# Altium PCB PCB.PcbDoc (part 2 of 3) (continued)
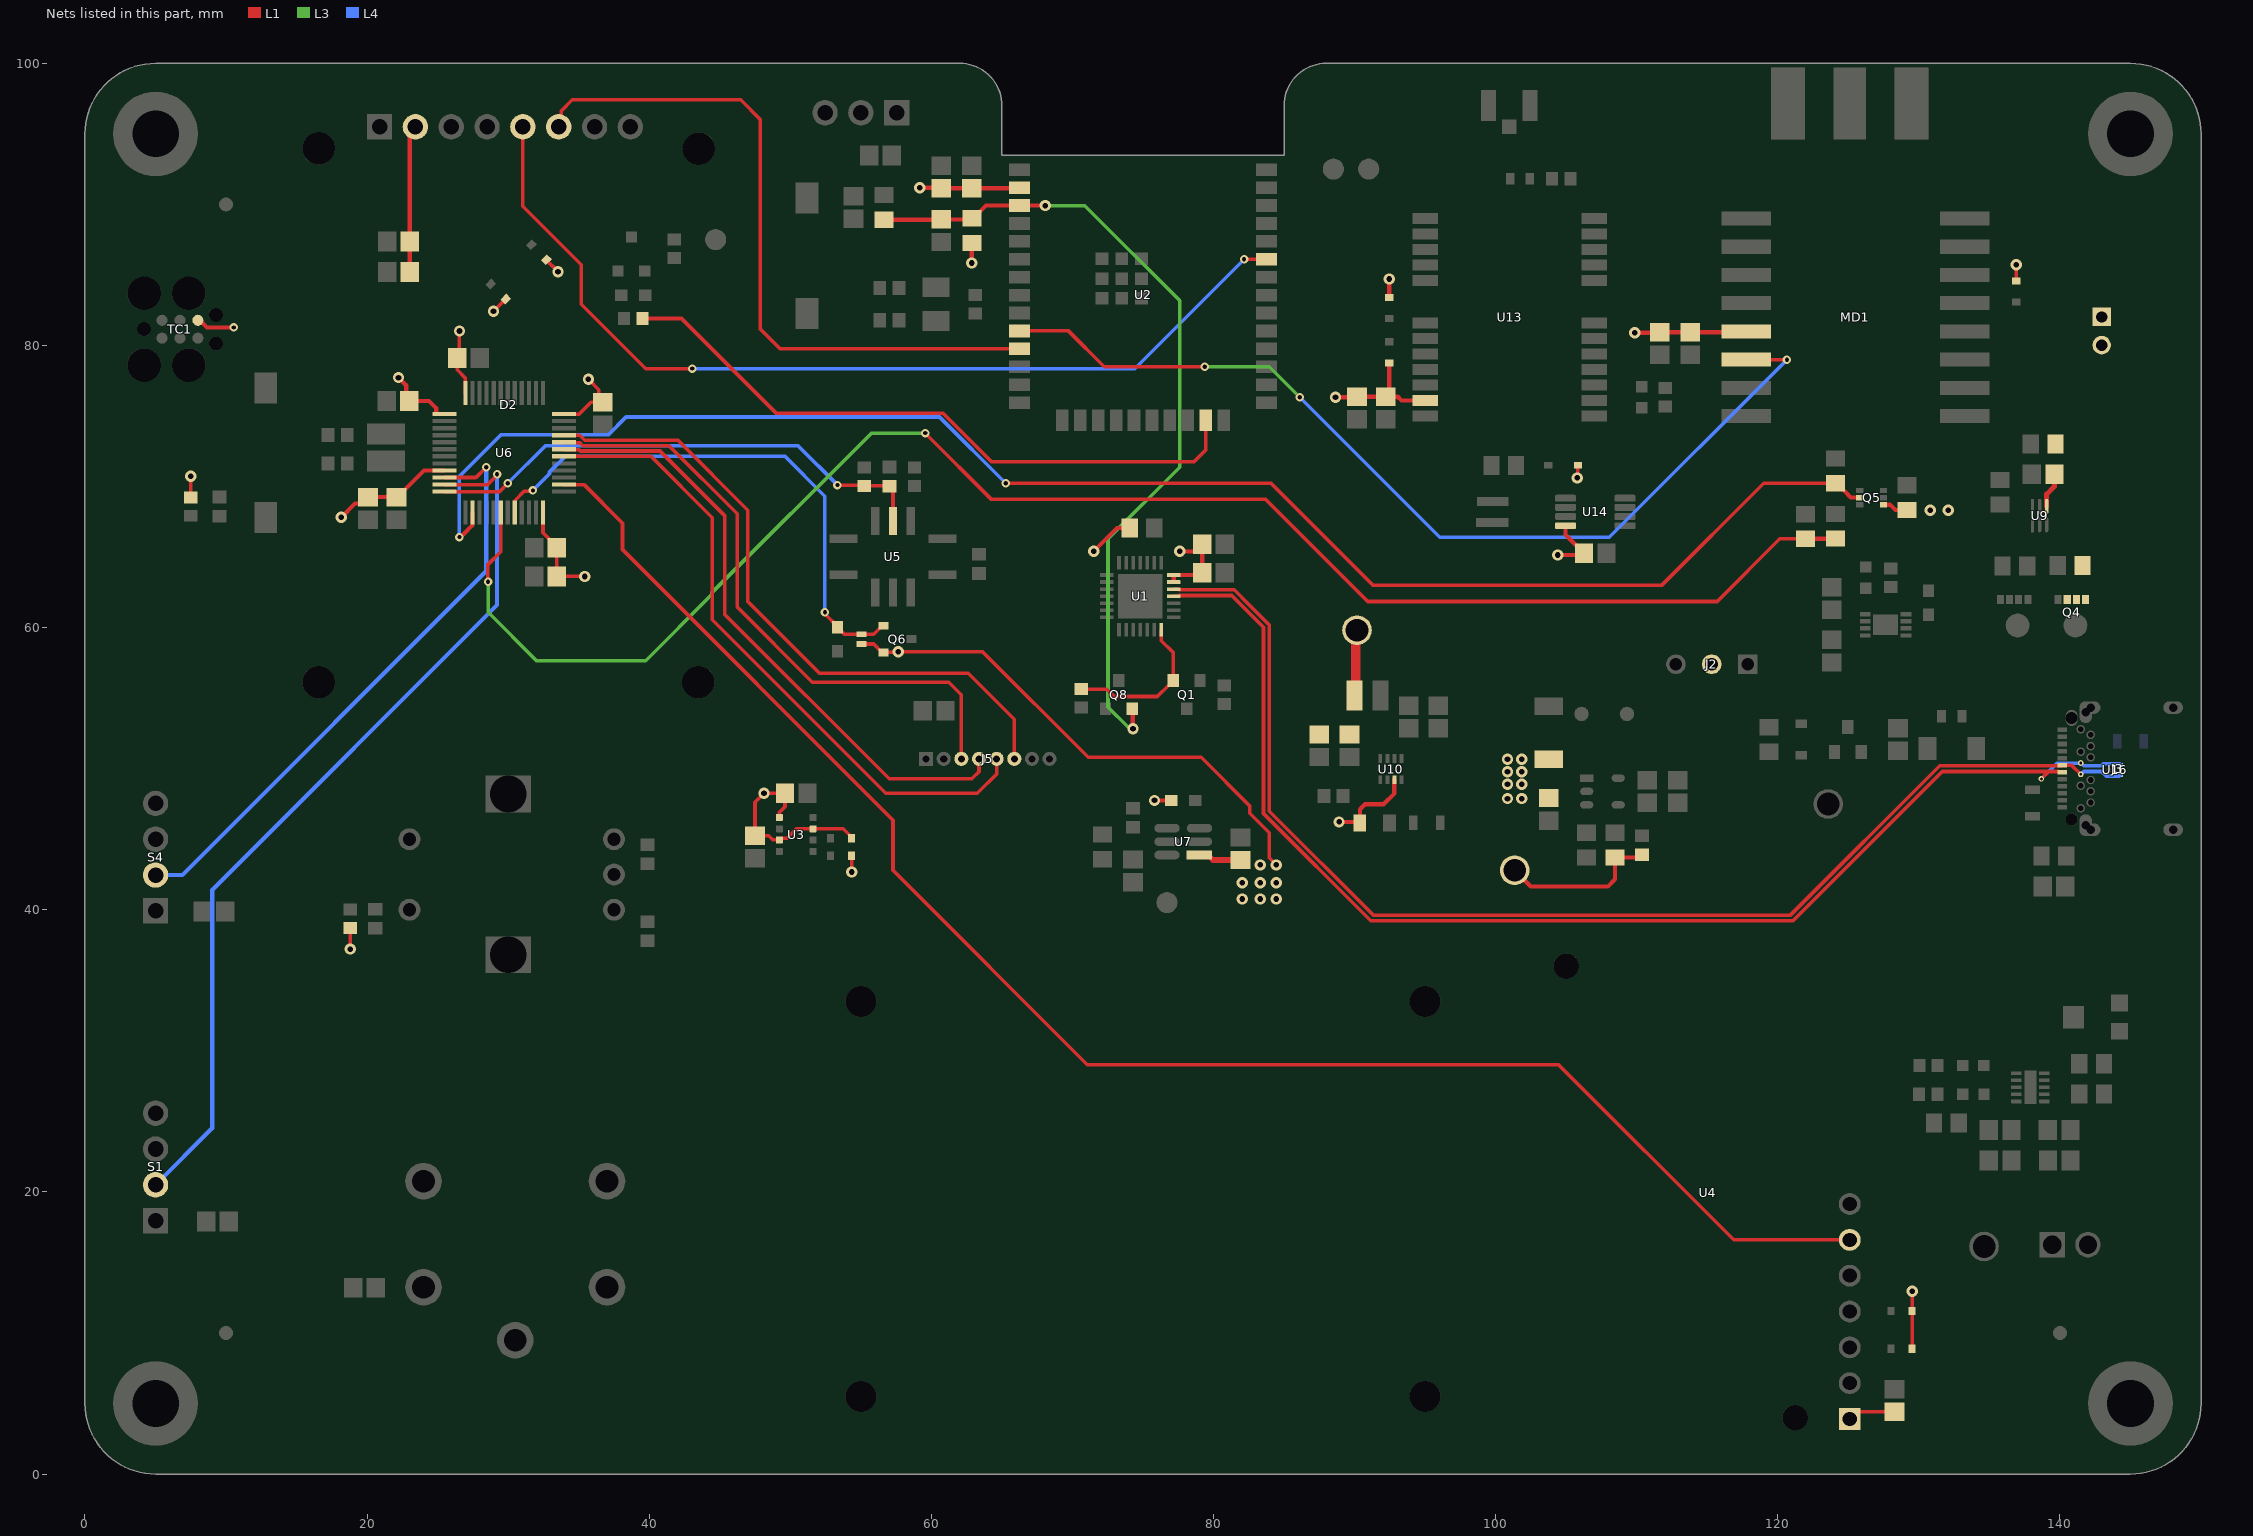
[diagram p4: the nets of this part, all layers, seen from the top]
## Part data (continued)
R16: library part RCS08051M00FKEA, "RES SMD 1M OHM 1% 1/2W 0805", Device Package="0805 (2012 Metric)", Manufacturer="Vishay Dale", Operating Temperature="-55°C ~ 155°C", Power (Watts)="0.5W, 1/2W", Ratings=AEC-Q200, Resistance="1 MOhms", Supplier Device Package=0805, Supplier Part Number 1=541-2853-1-ND, Temperature Coefficient=±100ppm/°C, Tolerance=±1%, ComponentLink1Description=Datasheet, ComponentLink1URL=http://www.vishay.com/docs/20065/rcse3.pdf, ComponentLink2Description="DigiKey Link", ComponentLink2URL=https://www.digikey.com/en/products/detail/vishay-dale/RCS08051M00FKEA/5866999, Composition="Thick Film", Features="Automotive AEC-Q200, Pulse Withstanding", Height - Seated (Max)="0.020\" (0.50mm)", lastupdated="2/8/2024 9:02:38 PM", Lifecycle Status=Active, Minimum Order=1, Number of Terminations=2, Package / Case="0805 (2012 Metric)", packaging=TapeAndReel, Part Number=RCS08051M00FKEA, Part Status=Active, partid=27791, price=0.02, series="RCS e3", Size / Dimension="0.079\" L x 0.049\" W (2.00mm x 1.25mm)", Supplier 1=DigiKey
R17: library part RC0805FR-07200KL, "RES 200K OHM 1% 1/8W 0805", Device Package="0805 (2012 Metric)", Manufacturer=Yageo, Operating Temperature="-55°C ~ 155°C", Power (Watts)="0.125W, 1/8W", Resistance="200 kOhms", Supplier Device Package=0805, Supplier Part Number 1=311-200KCRCT-ND, Temperature Coefficient=±100ppm/°C, Tolerance=±1%, ComponentLink1Description=Datasheet, ComponentLink1URL=https://www.yageo.com/upload/media/product/productsearch/datasheet/rchip/PYu-RC_Group_51_RoHS_L_10.pdf, ComponentLink2Description="DigiKey Link", ComponentLink2URL=https://www.digikey.com/en/products/detail/yageo/RC0805FR-07200KL/727724, Composition="Thick Film", Features="Moisture Resistant", Height - Seated (Max)="0.024\" (0.60mm)", lastupdated="7/25/2024 9:20:25 AM", Lifecycle Status=Active, Minimum Order=1, Number of Terminations=2, Package / Case="0805 (2012 Metric)", packaging=TapeAndReel, Part Number=RC0805FR-07200KL, Part Status=Active, partid=32602, price=0.01, series=RC_L, Size / Dimension="0.079\" L x 0.049\" W (2.00mm x 1.25mm)", Supplier 1=DigiKey
R18: library part RK73H2ATTD4422F, "RES 44.2K OHM 1% 1/4W 0805", Device Package="0805 (2012 Metric)", Manufacturer="KOA Speer Electronics, Inc.", Operating Temperature="-55°C ~ 155°C", Power (Watts)="0.25W, 1/4W", Ratings=AEC-Q200, Resistance="44.2 kOhms", Supplier Device Package=0805, Supplier Part Number 1=2019-RK73H2ATTD4422FCT-ND, Temperature Coefficient=±100ppm/°C, Tolerance=±1%, ComponentLink1Description=Datasheet, ComponentLink1URL=http://www.koaspeer.com/catimages/Products/RK73H/RK73H.pdf, ComponentLink2Description="DigiKey Link", ComponentLink2URL=https://www.digikey.com/en/products/detail/koa-speer-electronics-inc/RK73H2ATTD4422F/10234510, Composition="Thick Film", Features="Automotive AEC-Q200", Height - Seated (Max)="0.024\" (0.60mm)", lastupdated="7/25/2024 9:45:17 AM", Lifecycle Status=Active, Minimum Order=1, Number of Terminations=2, Package / Case="0805 (2012 Metric)", packaging=CutTape, Part Number=RK73H2ATTD4422F, Part Status=Active, partid=48356, price=0.01, series=RK73H, Size / Dimension="0.079\" L x 0.049\" W (2.00mm x 1.25mm)", Supplier 1=DigiKey
R19 R20: library part RMCF0603JT2K00, "RES 2K OHM 5% 1/10W 0603", Device Package="0603 (1608 Metric)", Manufacturer="Stackpole Electronics Inc", Operating Temperature="-55°C ~ 155°C", Power (Watts)="0.1W, 1/10W", Ratings=AEC-Q200, Resistance="2 kOhms", Supplier Device Package=0603, Supplier Part Number 1=RMCF0603JT2K00CT-ND, Temperature Coefficient=±200ppm/°C, Tolerance=±5%, ComponentLink1Description=Datasheet, ComponentLink1URL=https://www.seielect.com/catalog/sei-rmcf_rmcp.pdf, ComponentLink2Description="DigiKey Link", ComponentLink2URL=https://www.digikey.com/en/products/detail/stackpole-electronics-inc/RMCF0603JT2K00/1757951, Composition="Thick Film", Features="Automotive AEC-Q200", Height - Seated (Max)="0.022\" (0.55mm)", lastupdated="2/9/2024 8:43:32 PM", Lifecycle Status=Active, Minimum Order=1, Number of Terminations=2, Package / Case="0603 (1608 Metric)", packaging=CutTape, Part Number=RMCF0603JT2K00, Part Status=Active, partid=5994, price=0.01, series=RMCF, Size / Dimension="0.061\" L x 0.031\" W (1.55mm x 0.80mm)", Supplier 1=DigiKey
R21: library part RCG080521K5FKEA, "RCG0805 100 21K5 1% EA", Device Package="0805 (2012 Metric)", Manufacturer="Vishay Dale", Operating Temperature="-55°C ~ 155°C", Power (Watts)="0.125W, 1/8W", Resistance="21.5 kOhms", Supplier Device Package=0805, Supplier Part Number 1=541-RCG080521K5FKEACT-ND, Temperature Coefficient=±100ppm/°C, Tolerance=±1%, ComponentLink1Description=Datasheet, ComponentLink1URL=https://www.vishay.com/docs/20047/rcge3.pdf, ComponentLink2Description="DigiKey Link", ComponentLink2URL=https://www.digikey.com/en/products/detail/vishay-dale/RCG080521K5FKEA/13212777, Composition="Thick Film", Height - Seated (Max)="0.020\" (0.50mm)", lastupdated="2/8/2024 9:00:36 PM", Lifecycle Status=Active, Minimum Order=1, Number of Terminations=2, Package / Case="0805 (2012 Metric)", packaging=TapeAndReel, Part Number=RCG080521K5FKEA, Part Status=Active, partid=61401, price=0.01, series="RCG e3", Size / Dimension="0.079\" L x 0.049\" W (2.00mm x 1.25mm)", Supplier 1=DigiKey
R23: library part CRCW0805787RFKEA, "RES SMD 0 OHM 1% 1/8W 0805", Device Package="0805 (2012 Metric)", Manufacturer="Vishay Dale", Operating Temperature="-55°C ~ 155°C", Power (Watts)="0.125W, 1/8W", Ratings=AEC-Q200, Resistance="787 Ohms", Supplier Device Package=0805, Supplier Part Number 1=541-787CCT-ND, Temperature Coefficient=±100ppm/°C, Tolerance=±1%, ComponentLink1Description=Datasheet, ComponentLink1URL=http://www.vishay.com/docs/20035/dcrcwe3.pdf, ComponentLink2Description="DigiKey Link", ComponentLink2URL=https://www.digikey.com/en/products/detail/vishay-dale/CRCW0805787RFKEA/1175625, Composition="Thick Film", Features="Automotive AEC-Q200", Height - Seated (Max)="0.020\" (0.50mm)", lastupdated="2/8/2024 9:02:35 PM", Lifecycle Status=Active, Minimum Order=1, Number of Terminations=2, Package / Case="0805 (2012 Metric)", packaging=TapeAndReel, Part Number=CRCW0805787RFKEA, Part Status=Active, partid=28575, price=0.01, series=CRCW, Size / Dimension="0.079\" L x 0.049\" W (2.00mm x 1.25mm)", Supplier 1=DigiKey
R24: library part CRGP0805F33K, "RES 33K OHM 1% 1/3W 0805", Device Package="0805 (2012 Metric)", Manufacturer="TE Connectivity Passive Product", Operating Temperature="-55°C ~ 155°C", Power (Watts)="0.333W, 1/3W", Resistance="33 kOhms", Supplier Device Package=0805, Supplier Part Number 1=A130495CT-ND, Temperature Coefficient=±100ppm/°C, Tolerance=±1%, ComponentLink1Description=Datasheet, ComponentLink1URL=https://www.te.com/commerce/DocumentDelivery/DDEController?Action=srchrtrv&DocNm=9-1773463-9&DocType=DS&DocLang=English, ComponentLink2Description="DigiKey Link", ComponentLink2URL=https://www.digikey.com/en/products/detail/te-connectivity-passive-product/CRGP0805F33K/8577097, Composition="Thick Film", Features="Pulse Withstanding", Height - Seated (Max)="0.026\" (0.65mm)", lastupdated="2/8/2024 9:02:34 PM", Lifecycle Status=Active, Minimum Order=1, Number of Terminations=2, Package / Case="0805 (2012 Metric)", packaging=TapeAndReel, Part Number=CRGP0805F33K, Part Status=Active, partid=28737, price=0.02, series=CRGP, Size / Dimension="0.079\" L x 0.049\" W (2.00mm x 1.25mm)", Supplier 1=DigiKey
R25: library part CMP-07234-000040-1, "TRIMMER 100K OHM 0.1W J LEAD TOP", Color=Silver, Max Operating Temperature=100°C, Max Power Dissipation=100mW, Min Operating Temperature=-40°C, Package Quantity=2500, Resistance=100K, Resistance Tolerance=25%, Resistor Type=Carbon, Temperature Coefficient=250ppm/°C, Voltage Rating (DC)=50V, Depth=3.8mm, Height=0.047inch, Length=3mm, Military Standard=Not, Mount="Surface Mount", Number of Turns=1, packaging="Tape and Reel", Power Rating=100mW, Radiation Hardening=No, REACH SVHC="No SVHC", RoHS Compliant=Yes, series=TC33, Termination="Foot Print", Tolerance=25%, Weight=29.4mg, Width=0.118inch
R26: library part CRCW0805787RFKEA, "RES SMD 787 OHM 1% 1/8W 0805", Device Package="0805 (2012 Metric)", Manufacturer="Vishay Dale", Operating Temperature="-55°C ~ 155°C", Power (Watts)="0.125W, 1/8W", Ratings=AEC-Q200, Resistance="787 Ohms", Supplier Device Package=0805, Supplier Part Number 1=541-787CCT-ND, Temperature Coefficient=±100ppm/°C, Tolerance=±1%, ComponentLink1Description=Datasheet, ComponentLink1URL=http://www.vishay.com/docs/20035/dcrcwe3.pdf, ComponentLink2Description="DigiKey Link", ComponentLink2URL=https://www.digikey.com/en/products/detail/vishay-dale/CRCW0805787RFKEA/1175625, Composition="Thick Film", Features="Automotive AEC-Q200", Height - Seated (Max)="0.020\" (0.50mm)", lastupdated="2/8/2024 9:02:35 PM", Lifecycle Status=Active, Minimum Order=1, Number of Terminations=2, Package / Case="0805 (2012 Metric)", packaging=TapeAndReel, Part Number=CRCW0805787RFKEA, Part Status=Active, partid=28575, price=0.01, series=CRCW, Size / Dimension="0.079\" L x 0.049\" W (2.00mm x 1.25mm)", Supplier 1=DigiKey
R27 R29: library part CRCW08051M00JNEAHP, "RES SMD 1M OHM 5% 1/2W 0805", Device Package="0805 (2012 Metric)", Manufacturer="Vishay Dale", Operating Temperature="-55°C ~ 155°C", Power (Watts)="0.5W, 1/2W", Ratings=AEC-Q200, Resistance="1 MOhms", Supplier Device Package=0805, Supplier Part Number 1=541-1.0MTACT-ND, Temperature Coefficient=±200ppm/°C, Tolerance=±5%, ComponentLink1Description=Datasheet, ComponentLink1URL=http://www.vishay.com/docs/20043/crcwhpe3.pdf, ComponentLink2Description="DigiKey Link", ComponentLink2URL=https://www.digikey.com/en/products/detail/vishay-dale/CRCW08051M00JNEAHP/2222402, Composition="Thick Film", Features="Automotive AEC-Q200, Pulse Withstanding", Height - Seated (Max)="0.020\" (0.50mm)", lastupdated="2/8/2024 9:02:08 PM", Lifecycle Status=Active, Minimum Order=1, Number of Terminations=2, Package / Case="0805 (2012 Metric)", packaging=TapeAndReel, Part Number=CRCW08051M00JNEAHP, Part Status=Active, partid=34838, price=0.02, series=CRCW-HP, Size / Dimension="0.079\" L x 0.049\" W (2.00mm x 1.25mm)", Supplier 1=DigiKey
R28: library part RMCF0805FT1M50, "RES 1.5M OHM 1% 1/8W 0805", Device Package="0805 (2012 Metric)", Manufacturer="Stackpole Electronics Inc", Operating Temperature="-55°C ~ 155°C", Power (Watts)="0.125W, 1/8W", Ratings=AEC-Q200, Resistance="1.5 MOhms", Supplier Device Package=0805, Supplier Part Number 1=RMCF0805FT1M50CT-ND, Temperature Coefficient=±200ppm/°C, Tolerance=±1%, ComponentLink1Description=Datasheet, ComponentLink1URL=https://www.seielect.com/catalog/sei-rmcf_rmcp.pdf, ComponentLink2Description="DigiKey Link", ComponentLink2URL=https://www.digikey.com/en/products/detail/stackpole-electronics-inc/RMCF0805FT1M50/1712568, Composition="Thick Film", Features="Automotive AEC-Q200", Height - Seated (Max)="0.026\" (0.65mm)", lastupdated="2/8/2024 9:02:21 PM", Lifecycle Status=Active, Minimum Order=1, Number of Terminations=2, Package / Case="0805 (2012 Metric)", packaging=TapeAndReel, Part Number=RMCF0805FT1M50, Part Status=Active, partid=31667, price=0.01, series=RMCF, Size / Dimension="0.079\" L x 0.049\" W (2.00mm x 1.25mm)", Supplier 1=DigiKey
R30: library part CRGP0805F180K, "RES 180K OHM 1% 1/3W 0805", Device Package="0805 (2012 Metric)", Manufacturer="TE Connectivity Passive Product", Operating Temperature="-55°C ~ 155°C", Power (Watts)="0.333W, 1/3W", Resistance="180 kOhms", Supplier Device Package=0805, Supplier Part Number 1=A130504CT-ND, Temperature Coefficient=±100ppm/°C, Tolerance=±1%, ComponentLink1Description=Datasheet, ComponentLink1URL=https://www.te.com/commerce/DocumentDelivery/DDEController?Action=srchrtrv&DocNm=9-1773463-9&DocType=DS&DocLang=English, ComponentLink2Description="DigiKey Link", ComponentLink2URL=https://www.digikey.com/en/products/detail/te-connectivity-passive-product/CRGP0805F180K/8577106, Composition="Thick Film", Features="Pulse Withstanding", Height - Seated (Max)="0.026\" (0.65mm)", lastupdated="2/8/2024 9:02:34 PM", Lifecycle Status=Active, Minimum Order=1, Number of Terminations=2, Package / Case="0805 (2012 Metric)", packaging=TapeAndReel, Part Number=CRGP0805F180K, Part Status=Active, partid=28751, price=0.02, series=CRGP, Size / Dimension="0.079\" L x 0.049\" W (2.00mm x 1.25mm)", Supplier 1=DigiKey
R31: library part KTR03EZPF8200, "RES SMD 820 OHM 1% 1/10W 0603", Device Package="0603 (1608 Metric)", Manufacturer="Rohm Semiconductor", Operating Temperature="-55°C ~ 155°C", Power (Watts)="0.1W, 1/10W", Ratings=AEC-Q200, Resistance="820 Ohms", Supplier Device Package=0603, Supplier Part Number 1=RHM820AYCT-ND, Temperature Coefficient=±100ppm/°C, Tolerance=±1%, ComponentLink1Description=Datasheet, ComponentLink1URL=https://www.rohm.com/datasheet/KTR03EZPF/ktr-e, ComponentLink2Description="DigiKey Link", ComponentLink2URL=https://www.digikey.com/en/products/detail/rohm-semiconductor/KTR03EZPF8200/4051694, Composition="Thick Film", Features="Automotive AEC-Q200, High Voltage", Height - Seated (Max)="0.022\" (0.55mm)", lastupdated="2/9/2024 8:43:35 PM", Lifecycle Status=Active, Minimum Order=1, Number of Terminations=2, Package / Case="0603 (1608 Metric)", packaging=TapeAndReel, Part Number=KTR03EZPF8200, Part Status=Active, partid=5315, price=0.02, series=KTR, Size / Dimension="0.063\" L x 0.031\" W (1.60mm x 0.80mm)", Supplier 1=DigiKey
R32: library part RCA060375R0FKEA, "RES SMD 75 OHM 1% 1/10W 0603", Device Package="0603 (1608 Metric)", Manufacturer="Vishay Dale", Operating Temperature="-55°C ~ 155°C", Power (Watts)="0.1W, 1/10W", Ratings=AEC-Q200, Resistance="75 Ohms", Supplier Device Package=0603, Supplier Part Number 1=541-2196-1-ND, Temperature Coefficient=±100ppm/°C, Tolerance=±1%, ComponentLink1Description=Datasheet, ComponentLink1URL=http://www.vishay.com/docs/20037/rcae3.pdf, ComponentLink2Description="DigiKey Link", ComponentLink2URL=https://www.digikey.com/en/products/detail/vishay-dale/RCA060375R0FKEA/4946765, Composition="Thick Film", Features="Anti-Sulfur, Automotive AEC-Q200", Height - Seated (Max)="0.020\" (0.50mm)", lastupdated="2/9/2024 8:43:35 PM", Lifecycle Status=Active, Minimum Order=1, Number of Terminations=2, Package / Case="0603 (1608 Metric)", packaging=TapeAndReel, Part Number=RCA060375R0FKEA, Part Status=Active, partid=5203, price=0.01, series=RCA, Size / Dimension="0.061\" L x 0.033\" W (1.55mm x 0.85mm)", Supplier 1=DigiKey
R33: library part RC0603JR-0791KL, "RES 91K OHM 5% 1/10W 0603", Device Package="0603 (1608 Metric)", Manufacturer=Yageo, Operating Temperature="-55°C ~ 155°C", Power (Watts)="0.1W, 1/10W", Resistance="91 kOhms", Supplier Device Package=0603, Supplier Part Number 1=311-91KGRCT-ND, Temperature Coefficient=±100ppm/°C, Tolerance=±5%, ComponentLink1Description=Datasheet, ComponentLink1URL=https://www.yageo.com/upload/media/product/productsearch/datasheet/rchip/PYu-RC_Group_51_RoHS_L_10.pdf, ComponentLink2Description="DigiKey Link", ComponentLink2URL=https://www.digikey.com/en/products/detail/yageo/RC0603JR-0791KL/726841, Composition="Thick Film", Features="Moisture Resistant", Height - Seated (Max)="0.022\" (0.55mm)", lastupdated="7/25/2024 9:19:25 AM", Lifecycle Status=Active, Minimum Order=1, Number of Terminations=2, Package / Case="0603 (1608 Metric)", packaging=CutTape, Part Number=RC0603JR-0791KL, Part Status=Active, partid=15741, price=0.01, series=RC_L, Size / Dimension="0.063\" L x 0.031\" W (1.60mm x 0.80mm)", Supplier 1=DigiKey
R34 R40: library part RMCF0603JT1K00, "RES 1K OHM 5% 1/10W 0603", Device Package="0603 (1608 Metric)", Manufacturer="Stackpole Electronics Inc", Operating Temperature="-55°C ~ 155°C", Power (Watts)="0.1W, 1/10W", Ratings=AEC-Q200, Resistance="1 kOhms", Supplier Device Package=0603, Supplier Part Number 1=RMCF0603JT1K00CT-ND, Temperature Coefficient=±200ppm/°C, Tolerance=±5%, ComponentLink1Description=Datasheet, ComponentLink1URL=https://www.seielect.com/catalog/sei-rmcf_rmcp.pdf, ComponentLink2Description="DigiKey Link", ComponentLink2URL=https://www.digikey.com/en/products/detail/stackpole-electronics-inc/RMCF0603JT1K00/1758057, Composition="Thick Film", Features="Automotive AEC-Q200", Height - Seated (Max)="0.022\" (0.55mm)", lastupdated="2/9/2024 8:43:33 PM", Lifecycle Status=Active, Minimum Order=1, Number of Terminations=2, Package / Case="0603 (1608 Metric)", packaging=CutTape, Part Number=RMCF0603JT1K00, Part Status=Active, partid=5824, price=0.01, series=RMCF, Size / Dimension="0.061\" L x 0.031\" W (1.55mm x 0.80mm)", Supplier 1=DigiKey
R35 R39: library part AC0603JR-0710KL, "RES SMD 10K OHM 5% 1/10W 0603", Device Package="0603 (1608 Metric)", Manufacturer=Yageo, Operating Temperature="-55°C ~ 155°C", Power (Watts)="0.1W, 1/10W", Ratings=AEC-Q200, Resistance="10 kOhms", Supplier Device Package=0603, Supplier Part Number 1=311-10KLECT-ND, Temperature Coefficient=±100ppm/°C, Tolerance=±5%, ComponentLink1Description=Datasheet, ComponentLink1URL=https://www.yageo.com/upload/media/product/productsearch/datasheet/rchip/PYu-AC_51_RoHS_L_7.pdf, ComponentLink2Description="DigiKey Link", ComponentLink2URL=https://www.digikey.com/en/products/detail/yageo/AC0603JR-0710KL/2827830, Composition="Thick Film", Features="Automotive AEC-Q200, Moisture Resistant", Height - Seated (Max)="0.022\" (0.55mm)", lastupdated="7/25/2024 9:19:28 AM", Lifecycle Status=Active, Minimum Order=1, Number of Terminations=2, Package / Case="0603 (1608 Metric)", packaging=CutTape, Part Number=AC0603JR-0710KL, Part Status=Active, partid=12247, price=0.01, series=AC, Size / Dimension="0.063\" L x 0.031\" W (1.60mm x 0.80mm)", Supplier 1=DigiKey
R38: library part CRGP0805F150R, "RES 150 OHM 1% 1/3W 0805", Device Package="0805 (2012 Metric)", Manufacturer="TE Connectivity Passive Product", Operating Temperature="-55°C ~ 155°C", Power (Watts)="0.333W, 1/3W", Resistance="150 Ohms", Supplier Device Package=0805, Supplier Part Number 1=A130467CT-ND, Temperature Coefficient=±100ppm/°C, Tolerance=±1%, ComponentLink1Description=Datasheet, ComponentLink1URL=https://www.te.com/commerce/DocumentDelivery/DDEController?Action=srchrtrv&DocNm=9-1773463-9&DocType=DS&DocLang=English, ComponentLink2Description="DigiKey Link", ComponentLink2URL=https://www.digikey.com/en/products/detail/te-connectivity-passive-product/CRGP0805F150R/8577069, Composition="Thick Film", Features="Pulse Withstanding", Height - Seated (Max)="0.026\" (0.65mm)", lastupdated="2/8/2024 9:02:34 PM", Lifecycle Status=Active, Minimum Order=1, Number of Terminations=2, Package / Case="0805 (2012 Metric)", packaging=TapeAndReel, Part Number=CRGP0805F150R, Part Status=Active, partid=28713, price=0.02, series=CRGP, Size / Dimension="0.079\" L x 0.049\" W (2.00mm x 1.25mm)", Supplier 1=DigiKey
R42: library part ERJ-3EKF22R0V, "RES SMD 22 OHM 1% 1/10W 0603", Device Package="0603 (1608 Metric)", Manufacturer="Panasonic Electronic Components", Operating Temperature="-55°C ~ 155°C", Power (Watts)="0.1W, 1/10W", Ratings=AEC-Q200, Resistance="22 Ohms", Supplier Device Package=0603, Supplier Part Number 1=P22.0HCT-ND, Temperature Coefficient=±100ppm/°C, Tolerance=±1%, ComponentLink1Description=Datasheet, ComponentLink1URL=https://industrial.panasonic.com/cdbs/www-data/pdf/RDA0000/AOA0000C304.pdf, ComponentLink2Description="DigiKey Link", ComponentLink2URL=https://www.digikey.com/en/products/detail/panasonic-electronic-components/ERJ-3EKF22R0V/1746340, Composition="Thick Film", Features="Automotive AEC-Q200", Height - Seated (Max)="0.022\" (0.55mm)", lastupdated="2/9/2024 8:43:34 PM", Lifecycle Status=Active, Minimum Order=1, Number of Terminations=2, Package / Case="0603 (1608 Metric)", packaging=TapeAndReel, Part Number=ERJ-3EKF22R0V, Part Status=Active, partid=5655, price=0.01, series=ERJ-3EK, Size / Dimension="0.063\" L x 0.031\" W (1.60mm x 0.80mm)", Supplier 1=DigiKey
R44: library part HVC0603T5004FET, "RES SMD 5M OHM 1% 1/10W 0603", Device Package="0603 (1608 Metric)", Manufacturer=Ohmite, Operating Temperature="-55°C ~ 155°C", Power (Watts)="0.1W, 1/10W", Resistance="5 MOhms", Supplier Device Package=0603, Supplier Part Number 1=HVC0603T5004FETCT-ND, Temperature Coefficient=±100ppm/°C, Tolerance=±1%, ComponentLink1Description=Datasheet, ComponentLink1URL=http://www.ohmite.com/assets/docs/res_hvc.pdf?r=false, ComponentLink2Description="DigiKey Link", ComponentLink2URL=https://www.digikey.com/en/products/detail/ohmite/HVC0603T5004FET/4759723, Composition="Thick Film", Features="High Voltage", Height - Seated (Max)="0.022\" (0.55mm)", lastupdated="2/9/2024 8:42:42 PM", Lifecycle Status=Active, Minimum Order=1, Number of Terminations=2, Package / Case="0603 (1608 Metric)", packaging=TapeAndReel, Part Number=HVC0603T5004FET, Part Status=Active, partid=18926, price=0.49, series=HVC, Size / Dimension="0.059\" L x 0.031\" W (1.50mm x 0.80mm)", Supplier 1=DigiKey
R49: library part TLRZ1JTTD, "RES 0 OHM JUMPER 0603", Device Package="0603 (1608 Metric)", Manufacturer="KOA Speer Electronics, Inc.", Operating Temperature="-55°C ~ 170°C", Ratings=AEC-Q200, Supplier Device Package=0603, Supplier Part Number 1=2019-TLRZ1JTTDCT-ND, Tolerance=Jumper, ComponentLink1Description=Datasheet, ComponentLink1URL=http://www.koaspeer.com/catimages/Products/TLRZ/TLRZ.pdf, ComponentLink2Description="DigiKey Link", ComponentLink2URL=https://www.digikey.com/en/products/detail/koa-speer-electronics-inc/TLRZ1JTTD/9845493, Composition="Metal Element", Features="Automotive AEC-Q200, Current Sense", Height - Seated (Max)="0.022\" (0.55mm)", lastupdated="2/9/2024 8:43:37 PM", Lifecycle Status=Active, Minimum Order=1, Number of Terminations=2, Package / Case="0603 (1608 Metric)", packaging=TapeAndReel, Part Number=TLRZ1JTTD, Part Status=Active, partid=4851, price=0.08, Resistance="0 Ohms", series=TLRZ, Size / Dimension="0.063\" L x 0.031\" W (1.60mm x 0.80mm)", Supplier 1=DigiKey
S1: library part "MQ-131 Module", "MQ-131 Sensor Module"
S2: "Portable and fixed gas detector, various gas detection equipment and situation."
S4: library part "MQ-136 Sensor Module", "They are used in air quality control equipments for buildings/offices, are suitable for detecting Of H2S", ComponentLink1Description=Datasheet, ComponentLink1URL=https://www.sensorica.ru/pdf/MQ-136.pdf
SW1 SW2: library part CMP-2000-07501-1, "FSMSM Push Button Switch, 50 mA, -35 to 85 degC, 2-Pin SMD, RoHS, Tape and Reel", Case\/Package=SMD/SMT, Contact Current Rating=50mA, Contact Resistance=100mOhm, Manufacturer="TE Connectivity", Max Operating Temperature=85degC, Max Voltage Rating (DC)=12V, Min Operating Temperature=-35degC, Operating Force=180gf, Package Description="2-Pin Surface Mount Device, Body 6 x 3.5 mm, Pitch 9.19 mm", Package Quantity=1800, Voltage Rating (DC)=24V, Actuator Length=1.07mm, Actuator Material=Polyamide, Contact Material=Brass, Contact Plating=Silver, Current Rating=50mA, Datasheet URL=http://www.te.com/commerce/DocumentDelivery/DDEController?Action=showdoc&DocId=Customer+Drawing%7F1437566-3%7FC2%7Fpdf%7FEnglish%7FENG_CD_1437566-3_C2_1437566_3_1_c.dwg.pdf%7F1437566-4, Datasheet Version="Rev. C2, 08/2014", Electrical Life=20000Cycles, ELV=Compliant, Illumination Type=Illuminated, Lead Free=LeadFree, Manufacturer URL=http://www.te.com/, Mechanical Life=20000Cycles, Mount=SurfaceMount, Mounting Technology=SurfaceMount, Orientation=Straight, Package Reference=FSMSMTR, packaging=TapeandReel, REACH SVHC=Unknown, RoHSCompliant=true, Switch Travel=0.25mm, Termination=GullWing, Throw Configuration=SPST
TC1: "PLUG-OF-NAILS 6-PIN W/ LEGS 8", Package=None, Check_prices=https://www.snapeda.com/parts/TC2030-IDC/Tag-Connect/view-part/?ref=eda, MF="Tag-Connect LLC", MP=TC2030-IDC, SnapEDA_Link=https://www.snapeda.com/parts/TC2030-IDC/Tag-Connect/view-part/?ref=snap
TP1 TP2 TP3 TP4: library part CMP-1672-00002-4, "Test Point, Red, Through Hole, RoHS, Bulk", Colour=Red, Manufacturer=Keystone, Package Quantity=100, ComponentLink1Description="Manufacturer URL", ComponentLink1URL=http://www.keyelco.com/, ComponentLink2Description=Datasheet, ComponentLink2URL=http://www.keyelco.com/product-pdf.cfm?p=1319, Contact Material=Bronze, Contact Plating=Silver, DatasheetVersion="Rev. F, 12/2013", Height="8.12 mm", Mount="Through Hole", Mounting Technology="Through Hole", PackageDescription="1-Pin Through Hole Device, Dia 3.17 mm", PackageReference=5010, packaging=Bulk, Pins=1, REACH SVHC="No SVHC", RoHSCompliant=true
TP5 TP6 TP7 TP8: "1mm x 1mm round pad for testing purposes"
U1: library part CP2102, "USB Bridge, USB to UART USB 2.0 UART Interface 20-QFN (3x3)", Package=None, Supplier Part Number 1=336-5886-1-ND, Availability=Unavailable, MF="{'manufacturer': u'Silicon Labs'}", MP=CP2102, price=None, Supplier 1=Digikey
U2: library part CMP-194065-000012-1, "RX TXRX MOD WIFI TRACE ANT SMD", Supplier Part Number 1=1904-ESP32-WROOM-32E(M113EH3200PH3Q0)TR-ND, Supplier 1=Digikey
U4: library part CMP-144026-000005-1, "CO2 MODULE", Max Operating Temperature=50°C, Min Operating Temperature=0°C, Operating Supply Current=75mA, Accuracy=3%, RoHS Compliant=Yes
U5: "Gas sensor for Nitrogen Dioxide", Package=None, Check_prices=https://www.snapeda.com/parts/MICS-2714/Sensata-BEI+Sensors/view-part/?ref=eda, MF="sgx sensors", MP=MICS-2714, SnapEDA_Link=https://www.snapeda.com/parts/MICS-2714/Sensata-BEI+Sensors/view-part/?ref=snap
U6: library part IC_STM32F103C8T6, "ARM® Cortex®-M3 STM32F1 Microcontroller IC 32-Bit 72MHz 64KB (64K x 8) FLASH 48-LQFP (7x7)", Alternate Part Number-1=NA, Case/Package=LQFP48, Manufacturer=STMicroelectronics, Manufacturer Part Number=STM32F103C8T6, Supplier Part Number-1=STM32F103C8T6, Supplier-1=LCSC
U7: library part CMP-04912-000018-2, "IC PWR SWITCH N-CHAN 1:1 SOT23-6", Case/Package=SOT-23-6, Max Operating Temperature=105°C, Max Output Current=2A, Min Operating Temperature=-40°C, Fault Protection="Over Temperature", Interface=On/Off, Number of Channels=1, Number Of Outputs=1, Output Configuration="High Side", packaging="Cut Tape"
U8: library part CMP-06318-000002-1, "IC CONTROLLER LI-ION 4.2V 8DFN", Ambient Temperature Range High=+85°C, Ambient Temperature Range Low=-40°C, Manufacturer=Microchip, Max Junction Temp=+125°C, Max Supply Voltage=6V, Min Supply Voltage=3.75V, Nominal Supply Current=0.1-510uA, Output Voltage=4.2V, Package=C04-123, Temperature="-40°C to +85°C", Automotive=No, Category=IC, ComponentLink2Description=Datasheet, ComponentLink2URL=http://ww1.microchip.com/downloads/en/DeviceDoc/20001984g.pdf, Device Class L1="Integrated Circuits (ICs)", Device Class L2="Power Management ICs", Device Class L3="Battery Management", Digikey Description="IC CONTROLLER LI-ION 4.2V 8DFN", Footprint Url=http://ww1.microchip.com/downloads/en/DeviceDoc/8L_DFN_2x3x0_9_MC_C04-123C.pdf, Height=1mm, Ipc Land Pattern Name=DFN200X300X90-8, Lead Free=Yes, Manufacturer Part Number=MCP73831-2ACI/MC, Mouser Description="Battery Management Li-Ion/Li-Poly Charg Mgnt 4.2V Vreg out", Number Of Cells=1, Number Of Outputs=1, Octopart=https://octopart.com/mcp73831-2aci%2Fmc-microchip-16517355, RoHS=TRUE, Standoff Height=0mm, Temperature Range High=+85°C, Temperature Range Low=-40°C
U9: library part CMP-04911-000043-1, "IC LITHIUM BATT PROTECT 6-SON", Max Operating Temperature=85°C, Min Operating Temperature=-40°C, Operating Supply Voltage=8V, Package Quantity=3000, Contact Plating=Gold, Fault Protection="Over Current", Lead Free="Lead Free", Mount="Surface Mount", Number Of Cells=1, Number of Pins=6, packaging="Tape and Reel", RoHS Compliant=Yes, Weight=0.000342oz
U10: "Buck Switching Regulator IC Positive Adjustable 0.6V 1 Output 2A SOT-583", Mfr_Name="Monolithic Power Systems", Supplier Part Number 1=946-MP2182GTL-Z, RefDes=RefDes, Supplier 1=Mouser, Type=Type
U12: library part CMP-06325-000043-1, "IC REG BOOST ADJ 900MA SOT23-5", Case/Package=SOT-23-5, Max Input Voltage=5.5V, Max Operating Temperature=125°C, Max Output Current=2A, Max Output Voltage=32V, Min Input Voltage=2.5V, Min Operating Temperature=-40°C, Min Output Voltage=1.24V, Output Current=900mA, Package Quantity=3000, Switching Frequency=2.5MHz, Efficiency=80%, Height=0.87mm, Length=2.9mm, Mount="Surface Mount", Number Of Outputs=1, Number of Pins=5, Output Configuration=Positive, Output Type=Adjustable, Output Voltage=32V, packaging="Tape and Reel", RoHS Compliant=Yes, series=-, Switching Frequency-Max=2.5MHz, Synchronous Rectifier=No, Topology=Boost, Width=1.6mm
U15: "https://www.digikey.jp/htmldatasheets/production/2903006/0/0/1/pms5003-series-manual.html", ComponentLink1Description=Datasheet, ComponentLink1URL=https://www.digikey.jp/htmldatasheets/production/2903006/0/0/1/pms5003-series-manual.html, ComponentLink2Description=Aliexpress, ComponentLink2URL=https://www.aliexpress.us/item/3256807822458152.html?spm=a2g0o.productlist.main.60.4b8fNUQyNUQy52&algo_pvid=2deb0116-e99d-425f-a30d-91481a4c641d&algo_exp_id=2deb0116-e99d-425f-a30d-91481a4c641d-59&pdp_npi=4%40dis%21USD%2131.60%2117.06%21%21%2131.60%2117.06%21%40214100f417387717191071421e98ae%2112000043239638590%21sea%21US%210%21ABX&curPageLogUid=VbXrtimZczFz&utparam-url=scene%3Asearch%7Cquery_from%3A
U16: library part CMP-0326-00046-3, "ESD Solution for Super-Speed (6 Gbps) USB 3.0 Interface, 2 Channels, -40 to +85 degC, 3-pin SOT (DRT), Green (Rohs & No Sb/Br)", Breakdown Voltage(Min)(V)=9, Differential Capacitance(pF)=0.01, IO Capacitance(Typ)(pF)=0.7, IO Leakage Current(nA)=10, Manufacturer="Texas Instruments", 1394 / Firewire=TRUE, ComponentLink1Description=Datasheet, ComponentLink1URL=http://www.ti.com/general/docs/lit/getliterature.tsp?genericPartNumber=TPD2EUSB30&fileType=pdf, ComponentLink2Description="URL Link1", ComponentLink2URL=SamplesURL:http://www.ti.com/product/tpd2eusb30#samples, DatasheetVersion=SLVSAC2C, Eco-Plan="Green (RoHS & no Sb/Br)", HDMI=TRUE, IEC 61000-4-2 Air-Gap(+/- kV)=8, IEC 61000-4-2 Contact(+/- kV)=8, Mounting Technology="Surface Mount", PackageDescription="3-Flat Lead Plastic Small Outline, 1 x 1 mm (inc leads), 0.35 mm Pitch", PackageReference=DRT0003A, PackageVersion="revD, Jun-2008", PartNumber=TPD2EUSB30DRTR, Serial ATA / eSATA=TRUE, SubFamily="ESD Solution", USB Full Speed=TRUE, USB High Speed=TRUE, USB Super Speed=TRUE
Y1: library part ABS07-32.768KHZ-7-T, "CRYSTAL 32.7680KHZ 7PF SMD", ESR (Equivalent Series Resistance)="70 kOhms", Frequency Tolerance=±20ppm, Load Capacitance=7pF, Manufacturer="Abracon LLC", Operating Mode=Fundamental, Operating Temperature="-40°C ~ 85°C", Package / Case="2-SMD, No Lead", Supplier Part Number 1=535-9543-1-ND, ComponentLink1Description=Datasheet, ComponentLink1URL=https://abracon.com/Resonators/ABS07.pdf, ComponentLink2Description="DigiKey Link", ComponentLink2URL=https://www.digikey.com/en/products/detail/abracon-llc/ABS07-32-768KHZ-7-T/1236859, Frequency="32.768 kHz", Height - Seated (Max)="0.035\" (0.90mm)", lastupdated="6/3/2024 8:02:04 PM", Lifecycle Status=Active, Minimum Order=1, Mounting Type="Surface Mount", packaging=TapeAndReel, Part Number=ABS07-32.768KHZ-7-T, Part Status=Active, partid=377, price=0.44, series=ABS07, Size / Dimension="0.126\" L x 0.059\" W (3.20mm x 1.50mm)", Supplier 1=DigiKey, Type="kHz Crystal (Tuning Fork)"
Y2: library part CG04874-8M, "CRYSTAL 8.0000MHZ 8PF SMD", ESR (Equivalent Series Resistance)="500 Ohms", Frequency Stability=±50ppm, Frequency Tolerance=±20ppm, Load Capacitance=8pF, Manufacturer="NDK America, Inc.", Operating Mode=Fundamental, Operating Temperature="-40°C ~ 85°C", Ratings=AEC-Q200, Supplier Part Number 1=644-CG04874-8MCT-ND, ComponentLink1Description=Datasheet, ComponentLink1URL=https://www.ndk.com/images/products/catalog/c_NX3225GD_e.pdf, ComponentLink2Description="DigiKey Link", ComponentLink2URL=https://www.digikey.com/en/products/detail/ndk-america-inc/CG04874-8M/9172047, Frequency="8 MHz", Height - Seated (Max)="0.039\" (1.00mm)", lastupdated="6/3/2024 8:17:11 PM", Lifecycle Status=Active, Minimum Order=1, Mounting Type="Surface Mount", packaging=TapeAndReel, Part Number=CG04874-8M, partid=1002, price=0.37, series=NX3225GD, Size / Dimension="0.126\" L x 0.098\" W (3.20mm x 2.50mm)", Supplier 1=DigiKey, Type="MHz Crystal"

## Via types
v1: diameter 0.6, hole 0.3, L1 to L4, tented both sides, 163 vias
v2: diameter 0.8, hole 0.4, L1 to L4, tented both sides, 113 vias
v3: diameter 0.8, hole 0.4, L1 to L4, 99 vias
v4: diameter 0.6, hole 0.3, L1 to L4, 13 vias
v5: diameter 0.4, hole 0.2, L1 to L4, tented both sides, 2 vias

## Nets (pads, with @x,y where several pads share a name; then routed paths per layer and width w, separated by ;. In a path a pad name is that pad's centre, name@x,y a point inside that pad or via, vN(x,y) a via of type N, cw(c..) or ccw(c..) an arc to the next point about the centre after c; other vN are vias at no path point)
3V3: C1.2 C2.2 C4.2 C5.2 C12.2 C15.2 C27.2 C28.2 C33.2 C34.2 C38.2 C39.2 C40.2 C41.2 C42.2 C48.2 C50.2 C51.1 C54.2 C55.2 C56.2 C57.2 D2.2 D12.2 L1.2 MD1.13 R1.2 R2.1 R3.2 R5.2 R17.1 R37.2 R39.2 R43.2 R45.2 R46.2 R47.2 R48.2 R50.1 R51.2 R52.2 TC1.6 TP2.1 U1.6 U1.7 U2.2 U3.2 U3.6 U3.8 U6.1 U6.9 U6.24 U6.36 U6.48 U10.7 U13.23 U14.8 | length 123.8
  L1 w0.254: v2(7.493,70.739) 7.493,69.238 R5.2@7.501,69.23 ; v2(18.796,37.211) R43.2@18.796,38.72 ; v2(26.543,81.026) 26.543,79.286 C48.2@26.378,79.121 26.378,78.271 26.968,77.681 U6.48@26.968,76.628 ; v2(28.956,82.423) 28.958,82.423 29.824,83.29 R52.2@29.826,83.29 ; U6.24@32.468,68.152 32.468,66.736 33.439,65.765 C56.2@33.439,65.659 C57.2@33.439,63.627 v2(35.433,63.627) ; R51.2@32.706,86.084 32.706,86.061 33.528,85.239 v2(33.528,85.217) ; U6.36@33.956,75.14 35.032,75.14 35.876,75.984 C51.1@36.653,75.984 ; v2(35.687,77.597) 36.418,76.866 36.418,76.269 C51.1@36.703,75.984 ; U3.8@49.219,46.539 49.219,46.916 49.229,46.916 49.619,47.306 C34.2@49.619,48.26 v2(48.133,48.26) 47.498,47.625 C33.2@47.498,45.25 48.476,45.25 48.753,44.973 49.185,44.973 U3.6@49.219,44.939 49.342,45.062 49.761,45.062 50.438,45.739 U3.2@51.619,45.739 53.74,45.739 54.344,45.135 R37.2@54.344,45.085 ; R45.2@54.344,43.815 54.35,43.809 54.35,42.678 v2(54.356,42.672) ; v2(105.791,70.612) 105.81,70.631 105.81,71.482 D12.2@105.83,71.501 ; R46.2@129.528,8.89 R3.2@129.528,11.557 129.534,11.563 129.534,12.948 v2(129.54,12.954) ; R50.1@136.906,84.57 v2(136.906,85.725)
  L1 w0.3: TC1.6@8.001,81.788 8.133,81.788 8.641,81.28 v1(10.541,81.28) ; v2(18.161,67.818) 19.134,68.791 19.596,68.791 C54.2@20.058,69.253 C55.2@22.09,69.253 22.14,69.253 24.027,71.14 U6.9@25.48,71.14 ; v2(22.225,77.724) 22.766,77.183 22.766,76.294 C50.2@22.987,76.073 24.384,76.073 24.892,75.565 24.892,75.14 U6.1@25.48,75.14 ; C28.2@23.025,85.209 C27.2@23.025,87.368 23.025,95.105 D2.2@23.42,95.5 ; v2(59.182,91.186) 60.668,91.186 C2.2@60.706,91.148 C1.2@62.854,91.148 66.208,91.148 U2.2@66.25,91.19 ; v2(62.865,85.852) R1.2@62.865,87.263 ; v2(71.501,65.405) 73.152,67.056 R2.1@74.055,67.056 ; v2(75.819,47.752) R39.2@77.001,47.752 ; U1.6@77.173,63.23 U1.7@77.173,63.73 79.051,63.73 C5.2@79.202,63.881 C4.2@79.202,65.913 79.202,65.905 78.702,65.405 v2(77.597,65.405) ; v2(88.646,76.327) 90.14,76.327 C40.2@90.178,76.365 C41.2@92.21,76.365 ; v2(88.9,46.228) 90.311,46.228 R17.1@90.374,46.165 90.374,47.121 90.732,47.479 92.056,47.479 92.817,48.24 U10.7@92.817,49.225 ; R48.2@92.456,78.764 92.456,76.611 C41.2@92.21,76.365 ; R47.2@92.456,83.415 v2(92.456,84.709) ; U13.23@95,76.1 93.325,76.1 93.06,76.365 C41.2@92.21,76.365 ; v2(104.394,65.151) 106.134,65.151 C42.2@106.261,65.278 106.261,65.328 105.761,65.828 105.711,65.828 104.956,66.583 U14.8@104.956,67.224 ; v2(109.855,80.899) 111.595,80.899 C39.2@111.633,80.937 C38.2@113.792,80.937 117.687,80.937 MD1.13@117.75,81
  L1 w0.7: L1.2@89.99,55.182 90.08,55.271 90.08,59.727 TP2.1@90.17,59.817
5V: C21.2 C22.2 C32.2 C36.2 D3.2 D9.1 Q6.2 R22.2 TP4.1 U4.1 U7.1 | length 55
  L1 w0.254: D3.2@55.056,58.84 55.906,58.84 Q6.2@56.516,58.229 ; Q6.2@56.605,58.229 56.637,58.261 57.626,58.261 v2(57.658,58.293) 63.627,58.293 71.12,50.8 79.121,50.8 82.567,47.354 82.567,46.846 83.947,45.466 83.947,43.688 v3(84.455,43.18) ; U4.1@125.1,3.9 125.607,4.407 C32.2@128.27,4.407
  L1 w0.3: TP4.1@101.346,42.799 102.489,41.656 107.95,41.656 108.458,42.164 R22.2@108.458,43.702 110.163,43.702 C21.2@110.363,43.902
  L1 w0.4: U7.1@79.001,43.881 79.599,43.881 79.957,43.523 C36.2@81.915,43.523
  other v3: 82.042,40.767 83.312,40.767 84.455,40.767 82.042,41.91 83.312,41.91 84.455,41.91 83.312,43.18 100.838,47.879 101.854,47.879 100.838,48.895 101.854,48.895 100.838,49.784 101.854,49.784 100.838,50.673 101.854,50.673
5003_RST: J5.6 U6.33 | length 46.9
  L1 w0.254: U6.33@33.956,73.64 35.072,73.64 35.435,73.277 42.039,73.277 46.99,68.326 46.99,61.849 52.07,56.769 62.611,56.769 65.875,53.505 J5.6@65.875,50.7
5003_RX: J5.4 U6.31 | length 44.3
  L1 w0.254: U6.31@33.956,72.64 33.979,72.617 35.023,72.617 35.121,72.519 40.765,72.519 45.339,67.945 45.339,60.94 57.003,49.276 62.865,49.276 63.375,49.786 J5.4@63.375,50.7
5003_SET: J5.3 U6.32 | length 44
  L1 w0.254: U6.32@33.956,73.14 33.979,73.117 35.059,73.117 35.278,72.898 41.402,72.898 46.228,68.072 46.228,61.468 51.562,56.134 61.232,56.134 62.125,55.241 J5.3@62.125,50.7
5003_TX: J5.5 U6.30 | length 46.4
  L1 w0.254: U6.30@33.956,72.14 40.128,72.14 44.47,67.798 44.47,60.559 56.769,48.26 63.26,48.26 64.625,49.625 J5.5@64.625,50.7
AO-2714: C31.2 R31.2 U5.B U6.12 | length 36.7
  L1 w0.254: U6.12@25.48,69.64 29.381,69.64 v1(29.972,70.231) ; v1(53.34,70.104) 55.197,70.104 R31.2@55.245,70.056 56.998,70.056 C31.2@57.023,70.031 57.277,69.777 U5.B@57.277,67.564
  L4 w0.254: v1(29.972,70.231) 32.639,72.898 50.546,72.898 v1(53.34,70.104)
BAT+: J1.1 J2.2 Q5.4 R8.2 R27.1 | length 1.8
  L1 w0.3: Q5.4@127.508,68.715 127.959,68.715 128.334,68.34 R27.1@129.159,68.34
  other v2: 130.81,68.326 132.08,68.326
BAT-: C10.1 J1.2 Q4.1 Q4.2 Q4.3 R13.2 U9.4 | length 2.5
  L1 w0.35: U9.4@139.057,68.599 139.057,69.462 139.611,70.016 C10.1@139.611,70.866
BAT_EN: Q5.2 R29.1 U6.14 | length 115.9
  L1 w0.254: v1(65.278,70.231) 84.074,70.231 91.313,62.992 111.76,62.992 118.999,70.231 R29.1@124.079,70.231
  L1 w0.3: v1(26.543,66.421) 26.624,66.421 26.809,66.605 26.81,66.605 27.468,67.263 U6.14@27.468,68.152 ; R29.1@124.079,70.231 124.179,70.231 124.986,69.424 124.986,69.406 125.177,69.215 Q5.2@125.808,69.215
  L4 w0.254: v1(26.543,66.421) 26.543,70.739 29.464,73.66 37.084,73.66 38.354,74.93 60.579,74.93 v1(65.278,70.231)
BAT_VLTG: R28.1 R30.2 U6.18 | length 117.9
  L1 w0.254: v1(28.575,63.246) 28.563,63.258 28.563,64.476 29.468,65.381 U6.18@29.468,68.152 ; v1(59.563,73.787) 64.262,69.088 83.693,69.088 90.932,61.849 115.697,61.849 120.142,66.294 R30.2@121.959,66.294
  L1 w0.3: R30.2@121.959,66.294 124.065,66.294 R28.1@124.079,66.308
  L3 w0.254: v1(28.575,63.246) 28.575,61.087 32.004,57.658 39.751,57.658 44.45,62.357 44.45,62.484 55.753,73.787 v1(59.563,73.787)
BLK: R34.1 U2.23 | length 46.6
  L1 w0.254: R34.1@39.512,81.915 42.291,81.915 49.022,75.184 60.833,75.184 64.262,71.755 78.613,71.755 79.445,72.587 U2.23@79.445,74.7
CO2: U4.6 U6.26 | length 116.5
  L1 w0.254: U6.26@33.956,70.14 35.369,70.14 38.1,67.409 38.1,65.532 57.277,46.355 57.277,42.799 71.058,29.018 104.459,29.018 116.877,16.6 U4.6@125.1,16.6
D_N: J3.A7 J3.B7 U1.5 U16.2 | length 89.4
  L1 w0.254: U1.5@77.173,62.73 77.528,62.73 77.576,62.682 81.463,62.682 82.55,61.595 83.829,60.316 83.947,60.198 83.947,46.99 91.313,39.624 120.904,39.624 131.482,50.202 139.861,50.202 139.876,50.217 140.132,50.217 J3.A7@140.165,50.25 140.825,50.25 J3.B7@141.475,49.6
  L4 w0.254: J3.B7@141.475,49.6 141.499,49.6 141.697,49.798 142.304,49.798 142.952,49.798 143.291,49.459 144.214,49.459 U16.2@144.316,49.561
D_P: J3.A6 J3.B6 U1.4 U16.1 | length 91.7
  L1 w0.254: U1.4@77.173,62.23 77.528,62.23 77.576,62.278 81.296,62.278 83.543,60.031 83.543,46.823 91.146,39.22 121.071,39.22 131.649,49.798 139.192,49.798 ; v5(138.684,49.276) 138.684,49.29 139.192,49.798 ; J3.A6@140.165,49.75 140.132,49.783 139.876,49.783 139.861,49.798 139.192,49.798
  L4 w0.254: v5(138.684,49.276) 139.808,50.4 J3.B6@141.475,50.4 141.499,50.4 141.697,50.202 142.471,50.202 142.952,50.202 143.113,50.363 144.214,50.363 U16.1@144.316,50.261
DC: D2.6 U2.11 | length 50
  L1 w0.254: D2.6@33.58,95.5 33.759,95.679 33.759,96.624 34.544,97.409 46.482,97.409 47.879,96.012 47.879,81.153 49.276,79.756 62.865,79.756 62.869,79.76 U2.11@66.25,79.76
DIO0: MD1.14 U2.10 | length 68.6
  L1 w0.254: U2.10@66.25,81.03 69.719,81.03 72.263,78.486 v1(79.375,78.486) ; MD1.14@117.75,79 117.756,78.994 v1(120.65,78.994)
  L3 w0.254: v1(79.375,78.486) 83.947,78.486 v1(86.106,76.327)
  L4 w0.254: v1(86.106,76.327) 96.029,66.404 108.06,66.404 v1(120.65,78.994)
DO-131: S1.2 U6.11 | length 64.5
  L1 w0.254: U6.11@25.48,70.14 28.551,70.14 29.21,70.799 v1(29.21,70.866)
  L4 w0.3: S1.2@5,20.5 9.017,24.517 9.017,41.402 29.21,61.595 v1(29.21,70.866)
DO-136: S4.2 U6.10 | length 43
  L1 w0.254: U6.10@25.48,70.64 27.714,70.64 v1(28.448,71.374)
  L4 w0.3: S4.2@5,42.46 6.9,42.46 28.448,64.008 v1(28.448,71.374)
DRST: D2.5 U2.33 | length 68
  L1 w0.254: D2.5@31.04,95.5 31.04,89.864 35.179,85.725 35.179,82.931 39.751,78.359 v1(43.053,78.359) ; v1(82.169,86.106) 83.746,86.106 U2.33@83.75,86.11
  L4 w0.254: v1(43.053,78.359) 74.422,78.359 v1(82.169,86.106)
DTR: Q1.2 R6.2 U1.28 | length 11.2
  L1 w0.254: R6.2@70.612,55.641 72.43,55.641 72.953,55.118 76.02,55.118 76.824,55.922 76.874,55.922 77.147,56.195 Q1.2@77.147,56.245 77.147,58.235 76.303,59.079 U1.28@76.303,59.86
EN: C3.2 Q8.2 R1.1 R36.1 U2.3 | length 58.9
  L1 w0.3: R36.1@56.642,88.914 60.682,88.914 C3.2@60.706,88.938 62.79,88.938 R1.1@62.865,89.013 62.965,89.013 63.872,89.92 U2.3@66.25,89.92 66.254,89.916 v2(68.072,89.916) ; Q8.2@74.237,54.245 74.266,54.216 74.266,52.861 v2(74.295,52.832)
  L3 w0.254: v2(68.072,89.916) 70.866,89.916 77.597,83.185 77.597,71.374 72.517,66.294 72.517,54.356 73.945,52.928 74.199,52.928 v2(74.295,52.832)
EN_2714: D3.1 Q6.1 R33.2 U6.20 | length 38.8
  L1 w0.254: U6.20@30.468,68.152 30.491,68.175 30.491,69.031 31.116,69.657 31.684,69.657 v1(31.75,69.723) ; v1(52.451,61.087) 52.517,61.021 52.517,60.908 53.343,60.082 53.343,59.982 53.616,59.709 53.666,59.709 53.835,59.54 D3.1@55.056,59.54 55.922,59.54 56.516,60.134 Q6.1@56.605,60.134
  L4 w0.254: v1(31.75,69.723) 32.926,70.899 32.926,71.026 34.036,72.136 49.635,72.136 52.451,69.32 v1(52.451,61.087)